# Altium PCB DD2088PoE_Daisy_Chain.PcbDoc (part 6 of 6)
Units mm, origin at the board's own origin, x right, y up, seen from the top; angles counter-clockwise.
Board outline 125 x 63 mm, 6 copper layers (Top Copper, Signal Layer 1, Signal Layer 2, Signal Layer 3, Signal Layer 4, Bottom Copper), stack 1.597 mm thick; 343 components, 263 nets, 1428 pads, 889 vias.
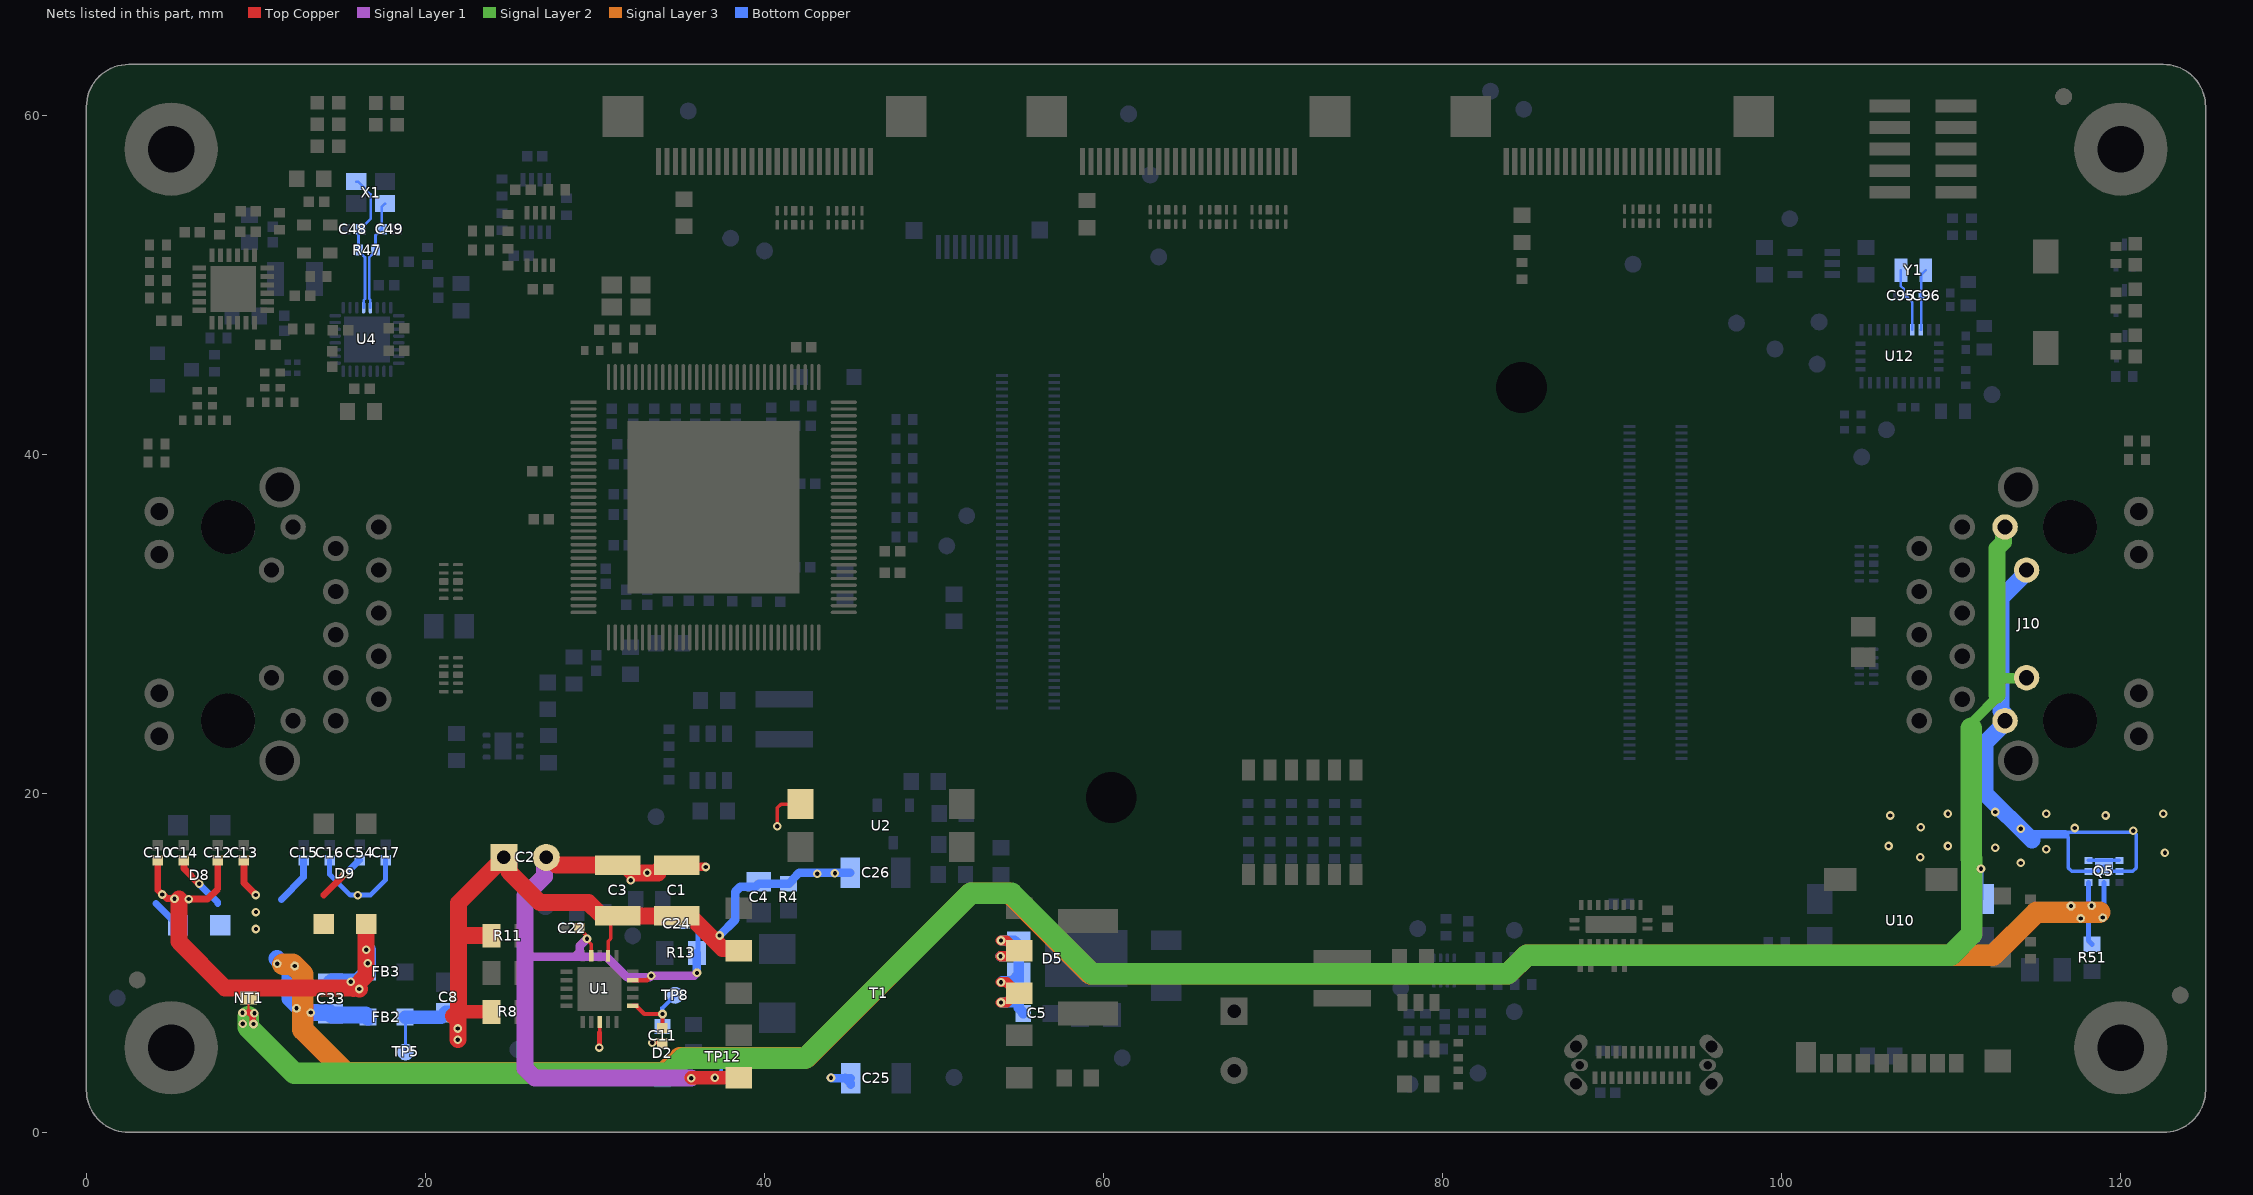
[diagram p10: the nets of this part, all layers, seen from the top]

## Via types
v1: diameter 0.508, hole 0.254, Top Copper to Bottom Copper, 871 vias
v2: diameter 0.406, hole 0.203, Top Copper to Bottom Copper, 8 vias
v3: diameter 0.508, hole 0.254, Top Copper to Bottom Copper, tented both sides, 8 vias
v4: diameter 0.6, hole 0.3, Top Copper to Bottom Copper, 2 vias

## Nets (pads, with @x,y where several pads share a name; then routed paths per layer and width w, separated by ;. In a path a pad name is that pad's centre, name@x,y a point inside that pad or via, vN(x,y) a via of type N, cw(c..) or ccw(c..) an arc to the next point about the centre after c; other vN are vias at no path point) (continued)
VNEG_IN: C10.2 C12.2 C16.2 C17.2 C33.1 D8.4 D9.4 FB3.1 NT1.1 | length 37.7
  Top Copper w0.2: 9.55,8.527 9.567,8.51
  Top Copper w0.4: C10.2@4.21,16.05 4.21,14.307 v1(4.48,14.038) 4.509,14.038 4.746,13.8 5.175,13.8 v1(5.195,13.78) 5.201,13.774 5.461,13.774 6.029,13.774 v1(6.035,13.768) 7.144,13.768 7.75,14.374 C12.2@7.75,16.05
  Top Copper w1: 5.461,13.774 5.461,11.251 8.185,8.527 9.55,8.527 16.037,8.527 v1(16.098,8.466) ; 15.748,8.5 16.5,9.252 D9.4@16.5,12.3
  Bottom Copper w0.3: C16.2@14.35,16.051 14.35,15.219 15.569,14 v1(16,14) 16.75,14 17.65,14.9 C17.2@17.65,16.063
  Bottom Copper w0.4: 4.109,13.507 D8.4@5.399,12.217
  Bottom Copper w1: C33.1@14.4,8.8 14.475,8.875 15.996,8.875 FB3.1@16.596,9.475 v1@16.596,10.776
  other v1: 15.597,8.891 16.596,9.975 16.5,10.776
VNEG_OUT: J10.12 J10.14 NT1.2 U10.3 | length 140.4
  Top Copper w0.102: 9.566,7.111 NT1.2@9.566,7.745
  Top Copper w0.381: 9.566,7.111 9.809,6.868 v1@9.809,6.475
  Signal Layer 2 w0.6: 111.369,23.864 111.369,24.333 112.7,25.664 112.7,25.789 ; 112.851,26.79 114.405,26.79 J10.12@114.44,26.825
  Signal Layer 2 w1: 112.7,25.789 112.7,34.45 113.074,34.824 113.074,35.619 J10.14@113.17,35.715
  Signal Layer 2 w1.27: 9.544,6.834 9.544,6.206 12.259,3.491 34.351,3.491 35.228,4.368 42.414,4.368 52.153,14.107 54.568,14.107 59.325,9.35 83.842,9.35 84.95,10.458 109.958,10.458 111.203,11.703 111.203,16.134 ; 111.168,16.134 111.168,23.856
  Bottom Copper w0.3: v1@111.75,15.653 111.75,13.78 U10.3@111.76,13.77
  other v1: 9.231,6.418 9.859,6.398 9.911,7.036 9.205,7.062 111.751,15.551
VPOS: C1.2 C2.1 C3.2 C4.2 C8.2 C26.1 FB2.2 R4.2 R8.1 R11.1 T1.4 TP5.1 U1.2 U1.13 | length 53.4
  Top Copper w0.2: 30.273,5.9 U1.13@30.273,6.525 ; U1.2@30.773,10.425 30.773,11.281 30.932,11.44 30.932,12.359 C3.2@31.348,12.775
  Top Copper w0.3: v1(30.257,5.009) 30.273,5.024 30.273,5.9
  Top Copper w0.8: 21.662,6.875 21.896,7.109 R8.1@23.889,7.109
  Top Copper w1: 21.662,6.875 21.911,6.626 v1(21.911,5.477) ; 21.941,7.109 21.941,11.609 ; R11.1@23.889,11.609 21.941,11.609 ; T1.4@38.473,10.725 38.338,10.86 37.513,10.86 35.598,12.775 C1.2@34.823,12.775 C3.2@31.348,12.775 31.273,12.85 30.323,12.85 29.62,13.553 26.752,13.553 24.923,15.382 24.923,15.925 C2.1@24.623,16.225 21.941,13.543 21.941,11.609
  Bottom Copper w0.2: FB2.2@18.8,6.8 18.825,6.775 TP5.1@18.825,4.75
  Bottom Copper w0.5: v1(37.348,11.617) 38.276,12.545 38.276,14.203 38.569,14.495 39.47,14.495 39.65,14.675 41.45,14.675 41.65,14.875 41.65,14.925 42.05,15.325 C26.1@45.048,15.325
  Bottom Copper w0.8: FB2.2@18.8,6.8 20.925,6.8 21.2,7.075 21.5,7.075 21.911,6.664 v1(21.911,5.477)
  other v1: 21.911,6.136 43.109,15.254 44.152,15.299
VPOS_IN: C13.2 C14.2 C15.2 C33.2 C54.2 D8.1 D9.1 FB2.1 Q5.4 Q5.8 R51.1 | length 144.9
  Top Copper w0.4: C14.2@5.75,16.05 5.75,15.566 v1(6.649,14.667) ; C13.2@9.29,16.05 9.29,14.71 v1(9.995,14.005) v1@10,14 ; 14,14 v1(15.25,15.25)
  Signal Layer 3 w1.27: 11.596,9.921 12.181,9.921 12.775,9.328 12.775,6.05 15.309,3.516 34.088,3.516 34.989,4.417 42.467,4.417 52.173,14.123 54.439,14.123 59.212,9.35 83.842,9.35 84.95,10.458 112.483,10.458 115.025,13 117.061,13 117.636,13 118.75,13
  Bottom Copper w0.3: Q5.4@118.088,14.75 v1@118.088,13.312 ; v1@118.1,13.35 v1@118.1,13.3 ; R51.1@118.3,11.1 118.088,11.312 v1@118.088,13.312 ; Q5.8@119,14.75 119,13.476 118.824,13.3 v1@118.1,13.3 ; v1@118.088,13.312 v1@118.1,13.3
  Bottom Copper w0.4: v1(6.649,14.667) 7.75,13.566 7.75,13.5 ; 11.5,13.75 12.81,15.06 C15.2@12.81,16.051 ; v1(15.25,15.25) 15.271,15.271 15.318,15.271 C54.2@16.11,16.063
  Bottom Copper w1: 11.25,10.25 12,9.5 12,7.903 12.828,7.075 14.325,7.075 C33.2@14.4,7 14.475,6.925 16.475,6.925 FB2.1@16.6,6.8
  other v1: 13.23,7.071 12.394,7.329 12.286,9.817 11.252,9.96 10,12 117.636,12.626 118.932,12.676 10,13 117.061,13.356 118.275,13.37
VPOS_OUT: J10.11 J10.13 Q5.1 Q5.2 Q5.5 Q5.6 Q5.7 | length 34.8
  Bottom Copper w0.2: Q5.6@118.088,16.05 Q5.1@119.912,16.05 ; 116.729,17.6 116.829,17.7 120.783,17.7 120.9,17.583 120.9,15.6 120.7,15.4 Q5.2@119.912,15.4 119.3,15.4 Q5.7@119,15.7 118.7,15.4 Q5.5@118.088,15.4 117.1,15.4 116.9,15.6 116.9,17.429 116.729,17.6
  Bottom Copper w0.5: 114.75,17.6 116.729,17.6
  Bottom Copper w1: J10.13@114.44,33.175 114.44,33.04 112.936,31.536 112.936,24.873 113.074,24.734 113.074,24.381 J10.11@113.17,24.285 113.17,24.15 111.996,22.976 111.996,20.004 114.75,17.25
  other v1: 114.1,15.9 108.166,16.226 122.6,16.5 115.6,16.7 112.6,16.8 106.3,16.9 109.8,16.9 120.725,17.804 114.093,17.907 117.29,17.957 108.2,18 106.4,18.7 119.1,18.7 109.8,18.8 115.6,18.8 122.5,18.8 112.6,18.9
VSEC: C5.2 D5.2 T1.7 T1.8 | length 13.6
  Top Copper w0.6: v1(53.922,10.397) 53.928,10.391 54.548,10.391 54.882,10.725 T1.7@54.883,10.725 ; v1@53.925,7.664 v1(53.947,7.664) 54.282,7.664 54.883,8.265 54.282,8.866 v1(53.947,8.866) v1@53.925,8.866 ; v1@53.925,11.326 v1(53.947,11.326) 54.282,11.326 T1.7@54.883,10.725 ; T1.7@55.023,10.725 T1.7@54.883,10.725
  Bottom Copper w0.6: v1(53.922,10.397) 54.913,10.397 D5.2@54.991,10.475 ; v1(53.947,7.664) 54.881,7.664 54.991,7.774 ; v1(53.947,8.866) 54.016,8.935 54.596,8.935 D5.2@54.991,9.33 ; v1(53.947,11.326) 54.752,11.326 54.991,11.087 D5.2@54.991,10.475 ; C5.2@55.255,7.024 55.255,7.074 54.991,7.338 54.991,7.774 ; 54.991,7.774 D5.2@54.991,9.33 ; D5.2@54.991,9.33 D5.2@54.991,10.475
VSS: C1.1 C2.2 C3.1 C11.1 C22.1 C24.1 C25.1 R13.2 T1.1 TP12.1 U1.4 U1.19 U2.3 | length 65.3
  Top Copper w0.2: C22.1@29.073,12.041 29.469,11.645 29.469,11.492 v1(29.528,11.433) 29.528,11.35 29.773,11.104 U1.4@29.773,10.425 ; v1(33.376,5.299) 33.934,5.299 C11.1@33.975,5.258 ; v1@35.543,3.355 35.628,3.27 35.673,3.225 35.679,3.22 38.468,3.22 T1.1@38.473,3.225 ; v1(40.749,18.058) 40.749,19.149 40.97,19.37 U2.3@42.115,19.37
  Top Copper w0.25: U1.19@32.223,8.975 33.075,8.975 33.325,9.225 v1(33.325,9.25) ; v1@35.628,3.27 35.628,3.25 v1(35.677,3.201)
  Top Copper w0.5: C3.1@31.348,15.775 31.775,15.775 32.1,15.45 v1(32.1,14.875) ; C1.1@34.823,15.775 34.936,15.662 36.527,15.662 v1(36.529,15.66)
  Top Copper w0.8: v1@35.673,3.225 v1(37.073,3.225) T1.1@38.473,3.225
  Top Copper w1: C2.2@27.123,16.225 27.285,16.225 27.735,15.775 C3.1@31.348,15.775 ; C3.1@31.775,15.775 32.238,15.312 33.706,15.312 33.706,15.433 34.048,15.775 C1.1@34.823,15.775
  Signal Layer 1 w0.5: 25.876,10.359 28.809,10.359 ; v1(29.528,11.433) 29.528,11.431 29.102,11.005 29.102,10.652 28.809,10.359 ; v1(36.016,9.412) 36.014,9.412 35.852,9.25 33.327,9.25 33.323,9.25 33.229,9.156 31.892,9.156 30.689,10.359 28.809,10.359
  Signal Layer 1 w1: C2.2@27.123,16.225 27.008,16.11 27.008,15.108 25.876,13.976 25.876,10.359 25.876,3.787 26.461,3.201 v1(35.677,3.201)
  Bottom Copper w0.2: v1@35.736,3.142 v1(35.677,3.201) v1@35.761,3.201 ; v1(37.073,3.225) 37.073,3.268 37.443,3.638 37.443,4.36 TP12.1@37.562,4.478
  Bottom Copper w0.3: C24.1@35.273,12.3 35.738,12.3 36.077,11.962 R13.2@36.077,10.527
  Bottom Copper w0.5: R13.2@36.013,10.59 36.016,10.587 36.016,10.466 36.015,10.465 36.015,9.414 v1(36.016,9.412) ; v1(43.918,3.225) 43.921,3.225 43.946,3.2 C25.1@44.775,3.2 ; C25.1@44.75,3.225 C25.1@44.775,3.2 ; C25.1@45.075,2.8 45.075,2.9 C25.1@44.775,3.2 ; C25.1@45.075,3.2 C25.1@44.775,3.2
  other v1: 33.075,15.312
VT15V: C11.2 D2.1 TP8.1 U1.16 | length 5
  Top Copper w0.254: U1.16@32.223,7.475 32.444,7.475 32.446,7.473 32.446,7.447 32.902,6.991 v1(33.982,6.991) 33.978,6.988 33.978,6.162 C11.2@33.975,6.158
  Bottom Copper w0.254: D2.1@33.975,6.25 33.982,6.257 v1(33.982,6.991) ; v1@33.975,6.984 33.975,7.342 TP8.1@34.725,8.092
XI: C48.2 R47.1 U4.28 X1.1 | length 8.3
  Bottom Copper w0.152: X1.1@15.917,56.085 16.017,56.085 16.767,55.335 16.767,53.885 C48.2@16.167,53.285 16.05,53.168 16.05,52 16.432,51.618 16.432,49.171 16.35,49.089 U4.28@16.35,48.65
XIN: C96.2 U12.27 Y1.1 | length 3.6
  Bottom Copper w0.152: U12.27@108.2,47.337 108.216,47.353 108.216,50.581 Y1.1@108.491,50.857
XO: C49.2 R47.2 U4.29 X1.3 | length 6.5
  Bottom Copper w0.152: U4.29@16.75,48.65 16.75,49.101 16.686,49.165 16.686,51.636 17.05,52 17.05,52.918 C49.2@17.417,53.285 17.417,54.585 X1.3@17.617,54.785
XOUT: C95.2 U12.26 Y1.2 | length 3.8
  Bottom Copper w0.15: Y1.2@107.031,50.857 107.031,49.914 107.204,49.742 107.204,49.442 107.289,49.357 C95.2@107.291,49.357 107.311,49.357 107.7,48.968 U12.26@107.7,47.337
pads on no net: FID1.1 FID2.1 FID3.1 FID4.1 FID5.1 FID6.1 J1. J2.2 J2.4 J2.6 J2.8 J2.10 J2.12 J2.14 J2.16 J2.18 J2.20 J2.22 J2.24 J2.26 J2.43 J2.44 J2.45 J2.46 J2.47 J2.48 J2.49 J2.50 J2.51 J2.52 J2.53 J2.54 J2.55 J2.56 J2.57 J2.58 J2.66 J2.68 J2.70 J3.17 J3.19 J3.21 J3.23 J3.25 J3.27 J3.29 J3.31 J3.33 J3.35 J3.37 J3.39 J3.41 J3.43 J3.45 J3.46 J3.47 J3.48 J3.49 J3.50 J3.51 J3.52 J3.53 J3.54 J3.55 J3.56 J3.58 J3.60 J3.62 J3.64 J3.66 J3.68 J3.70 J3.72 J3.74 J3.76 J4.11 J4.12 J5.3 J5.6 J5.8 J6.11 J6.12 J6.13 J6.14 J6.15 J8.11 J8.12 J8.13 J8.14 J8.15 J10. J14.A8 J14.B8 T1.5 T1.6 U7.2 U7.9 U7.10 U7.11 U7.22 U8.4 U12.1 U12.7 U12.8 U12.12 U12.13 U12.21 U12.22 U12.23 U12.24 U13.2 U13.5 U15.12 U15.13 U15.15 U15.16 U15.17 U15.18 U15.20 U15.21 U15.46 U15.52 U15.53 U15.54 U15.55 U15.58 U15.59 U15.60 U15.61 U15.62 U15.63 U15.64 U15.65 U15.66 U15.67 U15.68 U15.69 U15.70 U15.72 U15.73 U15.75 U15.76 U15.77 U15.78 U15.79 U15.80 U15.87 U15.88 U15.91 U15.92 U15.93 U15.94 U15.96 U15.97 U15.99 U15.100 U15.108 U15.112 U15.113 U15.115 U15.116 U15.117 U15.118 U15.120 U15.121 U61.1 U61.10 U62.9

## Polygon pours and split planes (outlines as drawn)
GND on Bottom Copper "GND_L6_P-001" (solid, remove dead copper, pour order 520): 0.388,20.434 0.388,60.5 cw(c2.5,60.5) 2.5,62.612 122.5,62.612 cw(c122.5,60.5) 124.612,60.5 124.612,2.5 cw(c122.5,2.5) 122.5,0.388 48.112,0.388 cw(c48.111,0.9) 47.6,0.9 47.6,19.643 ccw(c46.543,19.643) 46.543,20.7 40,20.7 ccw(c40,20.3) 39.6,20.3 cw(c36.6,20.3) 36.6,17.3 19.8,18.4 cw(c18.448,19.129) 17.453,20.3
VPOS_OUT on Bottom Copper "3v3_L01_P-001" (solid, remove dead copper, pour order 511): 122.9,14.9 123.238,15.238 123.238,21.287 122.948,21.576 116.076,21.576 114.75,20.25 113.425,20.25 112.099,21.576 106.076,21.576 105.5,21 105.5,16.216 106.816,14.9
VPOS_IN on Bottom Copper "3v3_L01_P-001" (solid, remove dead copper, pour order 498): 114.4,10.877 116.973,10.877 117.55,10.3 122.923,10.3 123.256,10.633 123.256,14.303 122.959,14.6 121.1,14.6 120.25,13.75 119.856,13.75 119.33,14.276 119.33,14.6 114.213,14.6 113.604,13.991 113.604,11.619 114.4,10.824
1V2_A on Bottom Copper "1V2A_L6_P-001" (solid, remove dead copper, pour order 495): 34.177,28.127 34.436,28.386 34.436,29.811 33.817,30.429 33.817,31.442 33.688,31.571 31.426,31.571 31.24,31.757 31.24,32.618 31.242,32.621 31.056,32.807 30.179,32.807 29.702,32.329 29.702,29.938 30.798,28.842 30.798,28.66 31.331,28.127
VNEG_IN on Bottom Copper "VNEG_IN_L6_P-001" (solid, remove dead copper, pour order 519): 17.102,8.279 13.633,8.279 13.161,8.751 13.161,13.661 14,14.5 17.15,14.5 17.454,14.196 17.454,8.631
VPOS_IN on Bottom Copper "VPOS_IN_L6_P001" (solid, remove dead copper, pour order 518): 17.15,4.032 16.618,3.5 9,3.5 6.891,5.609 6.891,13.93 7.532,14.571 11.989,14.571 12.775,13.785 12.775,8.035 12.96,7.85 17.15,7.85
VNEG on Bottom Copper "VNEG_L6_P-001" (solid, remove dead copper, pour order 514): 19.225,1.475 17.696,3.004 17.696,12.996 21.325,16.625 39.025,16.625 46.748,16.625 46.748,1.475
1V2 on Bottom Copper "3v3_L01_P-001" (solid, remove dead copper, pour order 496): 38.803,24.775 37.32,24.775 37.028,25.068 37.028,25.925 34.923,28.029 34.923,31.529 45.251,31.529 48.346,31.529 49.475,30.4 49.475,24.8 48.85,24.175 43.852,24.175 43.17,24.858 43.17,26.401 39.301,26.401 39.106,26.206 39.106,24.986 38.894,24.774
5V_PoE on Bottom Copper "5V_PoE_L6" (solid, remove dead copper, pour order 497): 37.365,18.468 44.968,18.468 47.951,21.45 50.425,21.45 50.75,21.775 50.75,23.456 50.346,23.86 43.853,23.86 43.37,23.377 43.37,22.197 38.335,22.197 37.889,22.643 36.553,22.643 36.553,21.918 37.365,21.106
GND on Signal Layer 2 "GND_L3_P-001" (solid, remove dead copper, pour order 516): 5.325,0.375 2.65,0.375 cw(c2.65,2.675) 0.35,2.675 0.35,60.4 cw(c2.575,60.4) 2.575,62.625 122.372,62.625 cw(c122.372,60.339) 124.658,60.339 124.658,2.699 cw(c122.346,2.699) 122.346,0.387
1V8 on Signal Layer 2 "1V8_L03_P-001" (solid, remove dead copper, pour order 499): 27.5,58.5 26.6,57.6 26.6,56.6 27.306,55.894 31.356,55.894 34.698,52.552 35.806,52.552 39.858,48.5 54.449,48.5 58.949,53 83.475,53 95.366,41.109 112.509,41.109 114.252,42.852 114.252,52.875 109.527,57.6 43.398,57.6 39.9,54.101 38.009,54.101 33.611,58.5
1V2 on Signal Layer 2 "GND_L04_P-001" (solid, remove dead copper, pour order 508): 43.298,28.531 30.256,28.531 26.985,31.802 26.985,42.627 28.97,44.611 29.289,44.292 40.175,44.292 40.712,43.756 40.712,41.765 44.75,37.727 44.75,29.5 43.75,28.5
VPOS on Signal Layer 2 "VPOS_L3_P-001" (solid, remove dead copper, pour order 504): 23.376,16.976 24,17.6 36.5,17.6 37.1,18.2 37.368,18.468 44.032,18.468 45.623,16.877 45.623,8.923 41.1,4.4 21.553,4.4 20.355,5.598 20.355,13.955 23.363,16.963
PCIE_1V0 on Signal Layer 2 "PCIE_1V0_L03_P-001" (solid, remove dead copper, pour order 502): 11.311,53.25 10.58,52.519 10.58,46.681 12.886,44.375 14.36,44.375 19.317,44.375 20.406,45.464 20.406,49.519 17.875,52.05 16.35,52.05 14.579,52.05 13.379,53.25
GND on Top Copper "GND_L1_P-001" (solid, remove dead copper, pour order 521): 0.388,18.604 0.388,60.5 cw(c2.5,60.5) 2.5,62.612 122.5,62.612 cw(c122.5,60.5) 124.612,60.5 124.612,2.5 cw(c122.5,2.5) 122.5,0.388 48.112,0.388 cw(c48.112,0.9) 47.6,0.9 47.6,19.643 ccw(c46.543,19.643) 46.543,20.7 40,20.7 ccw(c40,20.3) 39.6,20.3 39.6,17.6 cw(c39.3,17.6) 39.3,17.3 30.779,17.3 cw(c30.779,18.604) 29.475,18.604
VPOS_OUT on Top Copper "VPOS_OUT_L1_P-001" (solid, remove dead copper, pour order 513): 105.7,19.4 104.9,18.6 104.9,16.745 106.889,14.756 114.88,14.756 117.8,11.55 122.7,11.55 122.7,19.4
VNEG on Top Copper "VPOS_L1_P001" (solid, remove dead copper, pour order 512): 23.273,17.3 17.5,11.527 17.5,1.383 17.833,1.05 43.225,1.05 45.25,3.075 45.25,13.923 42.548,16.625 29.412,16.625 28.737,17.3
3V3 on Top Copper "3v3_L01_P-001" (solid, remove dead copper, pour order 493): 75.775,10.285 77.285,10.285 78.775,11.775 78.775,13.625 78.3,14.1 66.2,14.1 65.6,13.5 65.6,9.3 66.2,8.7 69.7,8.7 72.1,8.7 72.1,11.1 75.594,11.1 76.075,10.619 76.075,10.305
5V_PoE on Top Copper "3v3_L01_P-001" (solid, remove dead copper, pour order 494): 78.075,6.225 78.075,1.875 77.6,1.4 59.577,1.4 58.1,2.877 58.1,10.7 58.5,11.1 60.9,11.1 61.475,11.675 61.475,13.525 60.5,14.5 56.4,14.5 53.5,17.4 53.5,20.72 51.455,20.72 50.713,21.462 49.979,21.462 49.771,21.66 49.771,22.504 49.953,22.685 53.16,22.685 54.041,22.7 64,22.7 65.3,21.4 65.3,9.1 66.1,8.3 70.055,8.3 72.021,8.3 72.018,6.9 77.4,6.9
3V3 on Signal Layer 3 "3V3_L04_P-001" (solid, remove dead copper, pour order 509): 68.75,11.5 81,11.5 81.75,12.25 111.5,12.25 116,16.75 122,16.75 122.5,17.25 122.5,50.156 112.99,59.666 11.666,59.666 2.2,50.2 2.2,19.954 3.55,18.604 55.4,18.604 62.55,11.454
GND on Signal Layer 3 "GND_L5_P-001" (solid, remove dead copper, pour order 517): 2.575,0.4 cw(c2.575,2.6) 0.375,2.6 0.375,60.575 cw(c2.4,60.575) 2.4,62.6 122.567,62.6 cw(c122.567,60.559) 124.608,60.559 124.608,2.358 cw(c122.65,2.358) 122.65,0.4
VNEG on Signal Layer 3 "VNEG_L4_P-001" (solid, remove dead copper, pour order 500): 20,15.5 22.1,17.6 36.5,17.6 37.1,18.2 37.368,18.468 41.966,18.468 43.2,17.234 43.2,6.433 41.067,4.3 20.8,4.3 20,5.1
2V5_A on Signal Layer 3 "2V5A_L04_P-001" (solid, remove dead copper, pour order 501): 33.085,26.71 34.882,28.507 34.882,30.77 34.529,31.123 34.078,31.123 33.688,30.734 33.688,30.09 33.319,29.721 30.758,29.721 29.702,30.777 29.702,33.882 30.092,34.272 30.092,34.995 29.911,35.177 29.911,38.879 30.188,39.157 30.188,39.792 29.848,40.133 29.848,42.277 30.871,43.3 31.455,43.3 31.95,43.795 32.581,43.795 32.798,43.578 33.742,43.578 33.956,43.792 36.157,43.792 37.035,42.915 37.769,42.915 38.41,43.555 38.41,46.127 28.224,46.127 26.618,44.521 26.618,27.318 27.226,26.71
1V2_A on Signal Layer 3 "1V2A_L04_P-001" (solid, remove dead copper, pour order 503): 33.501,31.029 33.5,30.179 33.228,29.907 30.909,29.907 29.882,30.934 29.882,42.241 31.105,43.464 36.323,43.464 36.512,43.275 36.512,42.012 33.964,39.464 33.964,31.493
GND on Signal Layer 4 "GND_L5_P-001" (solid, remove dead copper, pour order 510): 2.5,0.25 cw(c2.5,2.5) 0.25,2.5 0.25,60.25 cw(c2.75,60.25) 2.75,62.75 122.21,62.75 cw(c122.21,60.21) 124.75,60.21 124.75,2.75 cw(c122.25,2.75) 122.25,0.25
VSS on Signal Layer 4 "VSS_L5_P-001" (solid, remove dead copper, pour order 505): 25.876,15.184 25.876,16.984 26.5,17.609 39,17.609 39.6,18.209 39.868,18.476 44.466,18.476 45.7,17.242 45.7,2.7 44.751,1.75 26.232,1.75 25.2,2.782 25.2,14.509 25.873,15.182 25.873,15.555
GND on Signal Layer 1 "GND_L2_P-001" (solid, remove dead copper, pour order 507): 2.5,0.25 cw(c2.5,2.5) 0.25,2.5 0.25,60.25 cw(c2.75,60.25) 2.75,62.75 122.21,62.75 cw(c122.21,60.21) 124.75,60.21 124.75,2.75 cw(c122.25,2.75) 122.25,0.25
VSS on Signal Layer 1 "VSS_L2_P-001" (solid, remove dead copper, pour order 506): 25.876,15.176 25.876,16.976 26.5,17.6 39,17.6 39.6,18.2 39.868,18.468 44.466,18.468 45.7,17.234 45.7,2.691 45.059,2.05 25.923,2.05 25.2,2.773 25.2,14.5 25.873,15.173 25.873,15.547

## Keep-outs
Top Copper:
  rectangle: 28.973,16.632 39.073,17.807
  region: 45.939,21.325 38.93,21.325 38.93,20.45 45.939,20.45
  region: 40.098,16.5 40.098,20.525 38.923,20.525 38.923,16.5
  region: 45.555,21.3 45.555,0.488 47.973,0.488 47.973,21.3
Bottom Copper:
  region: 44.009,18.784 46.489,16.304 47.077,16.893 44.597,19.372
  region: 44.597,19.372 39.397,19.372 39.397,18.616 44.597,18.616
  region: 40.296,16.123 40.296,19.25 39.373,19.25 39.373,16.123
  region: 47.055,0.484 47.055,17.165 46.132,17.165 46.132,0.484
  rectangle: 28.712,16.859 40.305,17.782

## Other copper
Top Copper:
  rectangle net VNEG_OUT: 9.199,7.353 9.934,7.571
  pour cut-out: 71.97,34.798 71.97,32.098 70.422,30.55 63.054,30.55 55.204,38.4 51.675,38.4 48.081,41.994 48.081,46.181 48.475,46.575 56.654,46.575 60.1,43.129 60.1,40.525 65.15,35.475 71.33,35.475
  pour cut-out: 17.5,1.383 4.125,1.383 cw(c4.124,3.923) 1.585,3.923 1.585,19.338 3.246,21 20.216,21 23.316,17.9 39.512,17.9 39.512,17.3 21.114,17.3 21.114,6.376 17.5,3
  pour cut-out: 12.67,53.916 13.537,54.783 13.536,56.738 13.276,56.998 12.216,56.998 11.956,56.738
  pour cut-out: 46.25,56.475 46.25,53.209 47.245,52.214 59.536,52.214 68.791,42.959 68.791,40.535 68.281,40.025 62.7,40.025 62.575,40.15 62.575,43.1 58.438,47.237 48.2,47.237 47.213,46.25 46.764,46.25 41.9,51.114 41.9,56.475
  pour cut-out: 72.375,10.285 77.925,10.285 77.925,7.675 72.375,7.675
  pour cut-out: 18.325,23.1 18.85,23.1 20.675,24.925 23.25,24.925 28.653,30.328 28.653,34.377 26.999,36.03 23.93,36.03 23.15,35.25 18.35,35.25
  pour cut-out: 28.248,39.077 23.01,39.077 19.317,42.769 19.317,43.947 21.101,45.731 21.101,47.953 19.722,49.332 19.722,49.722 20.15,50.15 22.272,50.15 28.653,43.77 28.653,39.177
  pour cut-out: 62.197,56.15 62.197,50.915 70.1,43.012 70.1,40.189 81.139,29.15 91.882,29.15 93.74,27.292 93.74,24.64 92.8,23.7 92.8,22.227 97.791,17.237 100.754,17.237 102.261,18.744 102.261,34.786 98.575,38.472 98.575,41.325 98.877,41.325 101.312,43.759 101.312,47.144 96.654,51.802 96.654,56.221 90.725,56.221 90.725,48.494 94.8,44.419 94.8,39.436 86.064,39.436 77.675,47.825 71.512,53.988 71.512,56.15
  pour cut-out: 0.359,21 18.865,21 18.865,39 0.359,39
  pour cut-out: 125,20.25 106.494,20.25 106.494,39 125,39
  region net VPOS_IN: 15.009,9.987 15.009,14.096 14.509,14.596 10.15,14.596 9.759,14.204 9.759,10.096 10.509,9.346 14.368,9.346
  region net SP1: 15.127,16.023 15.127,20.132 14.784,20.475 10.112,20.475 9.877,20.24 9.877,16.132 10.627,15.382 14.486,15.382
  region net SP2: 15.491,15.887 15.491,19.996 15.991,20.496 20.35,20.496 20.741,20.104 20.741,15.996 19.991,15.246 16.132,15.246
  region net VNEG_IN: 15.491,9.987 15.491,14.096 15.991,14.596 20.35,14.596 20.741,14.204 20.741,10.541 20.037,10.008 19.665,9.346 16.132,9.346
  region net VNEG_OUT: 9.186,6.149 8.936,6.399 8.936,7.149 9.186,7.399 9.936,7.399 10.186,7.149 10.186,6.399 9.936,6.149
  region net 3V3: 33.28,59.041 33.28,58.641 33.53,58.391 34.551,58.391 34.78,58.62 34.78,59.041 34.53,59.291 33.53,59.291
  region net 3V3: 58.28,59.041 58.28,58.641 58.53,58.391 59.551,58.391 59.78,58.62 59.78,59.041 59.53,59.291 58.53,59.291
  region net 3V3: 84.72,55.509 84.72,55.909 84.47,56.159 83.449,56.159 83.22,55.93 83.22,55.509 83.47,55.259 84.47,55.259
Signal Layer 1:
  pour cut-out: 26.083,1.383 4.125,1.383 cw(c4.125,3.923) 1.585,3.923 1.585,19.338 2.846,20.6 18.3,20.6 20.27,18.63 35.969,18.63 37.059,19.721 47.809,19.721 48.392,19.138 48.392,1.892 47.883,1.383 44.899,1.383 46,2.484 46,17.436 44.609,18.826 39.719,18.826 38.759,17.866 26.141,17.866 24.839,16.564 24.839,2.867 26.044,1.662
  pour cut-out: 26.083,1.383 44.899,1.383 45.051,1.535 44.836,1.75 25.625,1.75 25.5,1.625
  pour cut-out: 90.173,3.65 89.259,3.65 89.259,2.768 90.173,2.768
  pour cut-out: 94.173,3.65 93.259,3.65 93.259,2.768 94.173,2.768
  pour cut-out: 93.527,4.301 94.441,4.301 94.441,5.183 93.527,5.183
  pour cut-out: 89.527,4.301 90.441,4.301 90.441,5.183 89.527,5.183
  pour cut-out: 64.022,58.125 64.974,58.125 64.974,56.422 64.021,56.422 64.021,58.125
  pour cut-out: 65.522,58.125 66.474,58.125 66.474,56.422 65.521,56.422 65.521,58.125
  pour cut-out: 70.978,58.125 70.026,58.125 70.026,56.422 70.978,56.422 70.978,58.125
  pour cut-out: 69.478,58.125 68.526,58.125 68.526,56.422 69.478,56.422 69.478,58.125
  pour cut-out: 67.978,58.125 67.026,58.125 67.026,56.422 67.979,56.422 67.979,58.125
  pour cut-out: 45.978,58.125 45.026,58.125 45.026,56.422 45.978,56.422 45.978,58.125
  pour cut-out: 44.478,58.125 43.526,58.125 43.526,56.422 44.478,56.422 44.478,58.125
  pour cut-out: 42.978,58.125 42.026,58.125 42.026,56.422 42.979,56.422 42.979,58.125
  pour cut-out: 95.022,58.125 95.974,58.125 95.974,56.422 95.021,56.422 95.021,58.125
  pour cut-out: 93.522,58.125 94.474,58.125 94.474,56.422 93.521,56.422 93.521,58.125
  pour cut-out: 92.022,58.125 92.974,58.125 92.974,56.422 92.021,56.422 92.021,58.125
Signal Layer 2:
  pour cut-out: 22.644,1.383 4.125,1.383 cw(c4.125,3.923) 1.585,3.923 1.585,19.338 2.846,20.6 18.3,20.6 20.27,18.63 35.969,18.63 37.059,19.721 47.809,19.721 48.392,19.138 48.392,10 46,10 46,17.436 44.609,18.826 37.484,18.826 36.524,17.866 23.839,17.866 20.27,14.297 20.27,5.73 22.329,3.671
Signal Layer 3:
  pour cut-out: 4.125,1.383 cw(c4.125,3.907) 1.6,3.907 1.6,20.39 cw(c2.21,20.39) 2.21,21 17.9,21 20.275,18.625 35.964,18.625 37.059,19.721 43.279,19.721 45.025,17.975 45.025,7.925 43.6,6.5 43.6,6.05 43.279,6.371 43.279,17.216 42.027,18.468 37.368,18.468 36.5,17.6 22.1,17.6 20,15.5 20,5.1 21.625,3.475 21.625,1.4
Signal Layer 4:
  pour cut-out: 26.083,1.383 4.125,1.383 cw(c4.125,3.923) 1.585,3.923 1.585,19.338 2.846,20.6 18.3,20.6 20.27,18.63 35.969,18.63 37.059,19.721 47.809,19.721 48.392,19.138 48.392,1.892 47.883,1.383 44.899,1.383 46,2.484 46,17.436 44.609,18.826 39.719,18.826 38.759,17.866 26.141,17.866 24.839,16.564 24.839,2.867 26.044,1.662
  pour cut-out: 94.44,22.937 94.44,22.357 93.74,22.357 93.74,22.937
  pour cut-out: 94.432,24.145 94.432,23.565 93.732,23.565 93.732,24.145
  pour cut-out: 94.448,25.335 94.448,24.755 93.748,24.755 93.748,25.335
  pour cut-out: 94.434,26.531 94.434,25.951 93.734,25.951 93.734,26.531
  pour cut-out: 94.44,27.734 94.44,27.154 93.74,27.154 93.74,27.734
  pour cut-out: 94.44,38.957 94.44,38.377 93.74,38.377 93.74,38.957
  pour cut-out: 94.44,40.743 94.44,41.323 93.74,41.323 93.74,40.743
  pour cut-out: 94.44,40.157 94.44,39.577 93.74,39.577 93.74,40.157
  pour cut-out: 90.668,38.948 90.668,38.368 91.368,38.368 91.368,38.948
  pour cut-out: 90.668,40.148 90.668,39.568 91.368,39.568 91.368,40.148
  pour cut-out: 90.66,41.34 90.66,40.76 91.36,40.76 91.36,41.34
Bottom Copper:
  pour cut-out: 11.7,49.346 12.89,49.346 12.89,51.02 ccw(c12.283,51.02) 12.712,51.45 11.682,51.45
  pour cut-out: 6.465,1 4.125,1.383 cw(c4.125,3.923) 1.585,3.923 1.585,19.338 2.846,20.6 18.3,20.6 20.27,18.63 38.63,18.63 39.338,19.338 47,19.338 47,0 46,0 46,17.436 44.609,18.826 40.626,18.826 39.666,17.866 22.566,17.866 6.465,14.851
  pour cut-out: 56.148,6.274 62.566,6.274 63.312,7.02 63.312,8.588 62.616,9.284 56.383,9.284 56.148,9.05
  pour cut-out: 42.89,25.537 37.34,25.537 37.34,22.927 42.89,22.927
  region net VNEG_IN: 6.408,13.93 6.408,9.821 5.908,9.321 1.55,9.321 1.158,9.712 1.158,13.821 1.908,14.571 5.767,14.571
  region net VPOS_IN: 6.891,13.93 6.891,9.821 7.391,9.321 11.749,9.321 12.141,9.712 12.141,13.821 11.391,14.571 7.532,14.571
  region net CT1: 6.891,19.83 6.891,15.721 7.391,15.221 11.749,15.221 12.141,15.612 12.141,19.721 11.391,20.471 7.532,20.471
  region net CT2: 6.408,19.83 6.408,15.721 5.908,15.221 1.55,15.221 1.158,15.612 1.158,19.721 1.908,20.471 5.767,20.471
  region net 5V_PoE: 54.5,27.05 54.5,23 54.25,22.75 54.25,21.625 54.483,21.392 56.768,21.392 57.05,21.674 57.05,22.7 56.6,23.15 56.6,27.05
  region net 5V_PoE: 52.109,13.065 53.201,13.065 53.601,13.465 53.601,13.821 53.207,14.215 52.107,14.215
  region net NetC6_2: 58.973,13.05 60.065,13.05 60.465,13.45 60.465,13.806 60.071,14.2 58.971,14.2
  region net NetC6_2: 58.973,13.05 57.881,13.05 57.481,13.45 57.481,13.806 57.875,14.2 58.975,14.2

## Silkscreen, mask and mechanical layers (free items; w line width, h text height)
Top Overlay:
  drawing of 21 lines, arcs and shapes, not listed
  text "1000" at 9.889,60.327 h1.5
  text "LED 3 1" at 19.285,60.327 h1.5
  text "100" at 10.635,59.026 h1.5
  text "LED 3 0" at 19.285,59.026 h1.5
  text "L" at 100.811,58.425 h5
  text "R" at 26.061,58.175 h5
  text "RTL" at 8.5,57.62 h1.5
  text "10" at 11.381,57.626 h1.5
  text "KSZ" at 19.485,57.62 h1.5
  text "J5 Header" at 97.745,53.733 h1.5
  text "MOD_nRST" at 99.367,51.427 h1
  text "I2C3_SCL" at 105.421,51.427 h1
  text "RST" at 121.525,51.32 h1.5
  text "I2C3_SDA" at 105.421,50.157 h1
  text "NC" at 102.964,50.074 h1
  text ".project_title / .rev" at 44.675,49.644 h1.5
  text "2485_PGOOD" at 98.409,48.887 h1
  text "NC" at 105.421,48.804 h1
  text "PG" at 121.55,48.597 h1.5
  text "2485_WAKEUP" at 98.078,47.63 h0.97
  text "NC" at 105.421,47.534 h1
  text "GND" at 102.257,46.253 h1
  text "GND" at 105.421,46.253 h1
  text "5V" at 121.57,45.919 h1.5
  text "Reset" at 113.884,43.508 h1.5
  text "e" at 105.753,36.416 h8
  text "o" at 54.786,23.402 h15
  text "0" at 68.225,22.341 h1.5
  text "1" at 69.519,22.341 h1.5
  text "2" at 70.612,22.341 h1.5
  text "3" at 71.928,22.341 h1.5
  text "4" at 73.237,22.342 h1.5
  text "G58" at 74.446,22.329 h1.5
  text "ETH PoE IN" at 19.974,21.674 h2
  text "ETH PoE OUT" at 98.717,20.199 h2
  text "Boot" at 66.717,16.974 h1.5 r90
  text "W" at 120.131,10.879 h6
Bottom Overlay:
  drawing of 7 lines, arcs and shapes, not listed
  text "JTAG" at 46.908,52.83 h1.5
  text ".project_title / .rev" at 78,46.5 h1.5
Board:
  lines w0.15: 2.5,62.995 ccw(c2.5,60.495) 0,60.495 0,2.5 ccw(c2.5,2.5) 2.5,0 122.5,0 ccw(c122.5,2.5) 125,2.5 125,60.544 ; 2.5,63 122.5,63 cw(c122.5,60.5) 125,60.5
DimTop:
  circle w0.013: c120,57.9 r1.35
  circle w0.013: c120,5 r1.35
  circle w0.013: c5,5 r1.35
  circle w0.013: c5,57.9 r1.35
Drill Drawing:
  circle w0.254: c-55.938,43.267 r0.276
  circle w0.254: c-55.938,43.267 r0.46
  circle w0.254: c-55.938,22.58 r0.46
  lines w0.254: -56.398,24.419 -56.168,24.419 -56.168,24.189 -55.709,24.189 -55.709,24.419 -55.479,24.419 -55.479,24.879 -55.709,24.879 -55.709,25.109 -56.168,25.109 -56.168,24.879 -56.398,24.879 -56.398,24.419 ; -56.398,26.258 -56.398,26.488 -56.168,26.718 -56.398,26.948 -56.398,27.177 -56.168,27.177 -55.938,26.948 -55.709,27.177 -55.479,27.177 -55.479,26.948 -55.709,26.718 -55.479,26.488 -55.479,26.258 -55.709,26.258 -55.938,26.488 -56.168,26.258 -56.398,26.258 ; -56.398,29.246 -55.479,29.246 -55.938,28.327 -56.398,29.246 ; -56.398,30.625 -56.168,30.625 -55.938,30.395 -55.709,30.625 -55.479,30.625 -55.709,30.855 -55.479,31.085 -55.709,31.085 -55.938,31.315 -56.168,31.085 -56.398,31.085 -56.168,30.855 -56.398,30.625 ; -56.398,32.464 -55.938,32.694 -55.479,32.464 -55.709,32.924 -55.479,33.384 -55.938,33.154 -56.398,33.384 -56.168,32.924 -56.398,32.464 ; -56.398,34.533 -55.479,34.533 -55.479,35.452 -56.398,35.452 -56.398,34.533 ; -56.398,37.521 -55.479,37.521 -55.938,36.602 -56.398,37.521 ; -56.398,39.13 -55.938,38.67 -55.479,39.13 -55.938,39.59 -56.398,39.13 ; -56.398,40.969 -56.168,40.969 -55.938,40.739 -55.709,40.969 -55.479,40.969 -55.709,41.199 -55.479,41.429 -55.709,41.429 -55.938,41.658 -56.168,41.429 -56.398,41.429 -56.168,41.199 -56.398,40.969 ; -56.398,44.876 -55.479,44.876 -55.479,45.796 -56.398,45.796 -56.398,44.876 ; -56.214,37.337 -55.663,37.337 -55.938,36.785 -56.214,37.337 ; -56.214,41.061 -56.076,41.061 -55.938,40.923 -55.8,41.061 -55.663,41.061 -55.8,41.199 -55.663,41.337 -55.8,41.337 -55.938,41.474 -56.076,41.337 -56.214,41.337 -56.076,41.199 -56.214,41.061 ; -56.214,45.06 -55.663,45.06 -55.663,45.612 -56.214,45.612 -56.214,45.06
  lines w0.381: -57.259,21.5 -19.997,21.5 ; -57.259,46.324 -19.997,46.324 ; -51.941,19.431 -51.941,48.393 ; -47.07,19.431 -47.07,48.393 ; -37.506,19.431 -37.506,48.393 ; -33.383,19.431 -33.383,48.393 ; -57.259,19.431 -19.997,19.431 -19.997,48.393 -57.259,48.393 -57.259,19.431
  text "Symbol" at -56.018,46.945 h1.2
  text "Count" at -51.32,46.945 h1.2
  text "Hole Size" at -46.449,46.945 h1.2
  text "Plated" at -36.886,46.945 h1.2
  text "Drill Layer Pair" at -32.762,46.945 h1.2
  text "8" at -51.32,44.876 h1
  text "8.00mil (0.203mm)" at -46.449,44.876 h1
  text "PTH" at -36.886,44.876 h1
  text "Top Copper - Bottom Copper" at -32.762,44.876 h1
  text "879" at -51.32,42.808 h1
  text "10.00mil (0.254mm)" at -46.449,42.808 h1
  text "PTH" at -36.886,42.808 h1
  text "Top Copper - Bottom Copper" at -32.762,42.808 h1
  text "2" at -51.32,40.739 h1
  text "11.81mil (0.300mm)" at -46.449,40.739 h1
  text "PTH" at -36.886,40.739 h1
  text "Top Copper - Bottom Copper" at -32.762,40.739 h1
  text "2" at -51.32,38.67 h1
  text "19.69mil (0.500mm)" at -46.449,38.67 h1
  text "PTH" at -36.886,38.67 h1
  text "Top Copper - Bottom Copper" at -32.762,38.67 h1
  text "4" at -51.32,36.602 h1
  text "27.56mil (0.700mm)" at -46.449,36.602 h1
  text "PTH" at -36.886,36.602 h1
  text "Top Copper - Bottom Copper" at -32.762,36.602 h1
  text "4" at -51.32,34.533 h1
  text "31.50mil (0.800mm)" at -46.449,34.533 h1
  text "PTH" at -36.886,34.533 h1
  text "Top Copper - Bottom Copper" at -32.762,34.533 h1
  text "28" at -51.32,32.464 h1
  text "35.43mil (0.900mm)" at -46.449,32.464 h1
  text "PTH" at -36.886,32.464 h1
  text "Top Copper - Bottom Copper" at -32.762,32.464 h1
  text "8" at -51.32,30.395 h1
  text "40.16mil (1.020mm)" at -46.449,30.395 h1
  text "PTH" at -36.886,30.395 h1
  text "Top Copper - Bottom Copper" at -32.762,30.395 h1
  text "4" at -51.32,28.327 h1
  text "66.93mil (1.700mm)" at -46.449,28.327 h1
  text "PTH" at -36.886,28.327 h1
  text "Top Copper - Bottom Copper" at -32.762,28.327 h1
  text "4" at -51.32,26.258 h1
  text "108.27mil (2.750mm)" at -46.449,26.258 h1
  text "PTH" at -36.886,26.258 h1
  text "Top Copper - Bottom Copper" at -32.762,26.258 h1
  text "2" at -51.32,24.189 h1
  text "118.11mil (3.000mm)" at -46.449,24.189 h1
  text "PTH" at -36.886,24.189 h1
  text "Top Copper - Bottom Copper" at -32.762,24.189 h1
  text "4" at -51.32,22.121 h1
  text "125.98mil (3.200mm)" at -46.449,22.121 h1
  text "PTH" at -36.886,22.121 h1
  text "Top Copper - Bottom Copper" at -32.762,22.121 h1
  text "949 Total" at -51.32,20.052 h1
  text "Slot definitions :" at -56.018,18.604 h1
  text "Routed Path Length" at -49.201,18.604 h1
  text "= Calculated from tool start centre position to tool end centre position." at -40.756,18.604 h1
  text "Hole Length" at -49.201,17.776 h1
  text "= Routed Path Length + Tool Size = Slot length as defined in the PCB layout" at -43.891,17.776 h1

## Dimensions
5,5 to 5,58 on DimTop
5,5 to 120,5 on DimTop
2.5,63 to 2.5,0 on DimTop
0,2.5 to 125,2.5 on DimTop

## Text inside footprints (layer, text, board x,y; h text height)
D8: Bottom Overlay "+" at 8.849,11.805 h1.5 r180
D9: Top Overlay "+" at 13.05,11.889 h1.5 r180
J4: Bottom Overlay "1" at 49.424,51.107 h1; Bottom Overlay "10" at 56.325,51.085 h1; Assembly Notes "Top contact ffc" at 49.769,56.433 h1 r180
J5: Top Overlay "9" at 105.025,53.76 h1; Top Overlay "1" at 104.55,60.91 h1
J6: Top Overlay "26" at 81.781,57.103 h1; Top Overlay "1" at 97.922,57.086 h1
J8: Top Overlay "1" at 47.773,57.103 h1; Top Overlay "26" at 31.8,57.103 h1
J9: Top Overlay "26" at 56.717,57.039 h1; Top Overlay "1" at 72.941,57.103 h1
SW1: Top Overlay "ON" at 75.732,14.532 h1
U61: Assembly Notes "Based on 0.125 thick stencil" at 87.325,12.17 h0.5